# Altium PCB My_SOMA_25042022.PcbDoc (part 2 of 4) (continued)
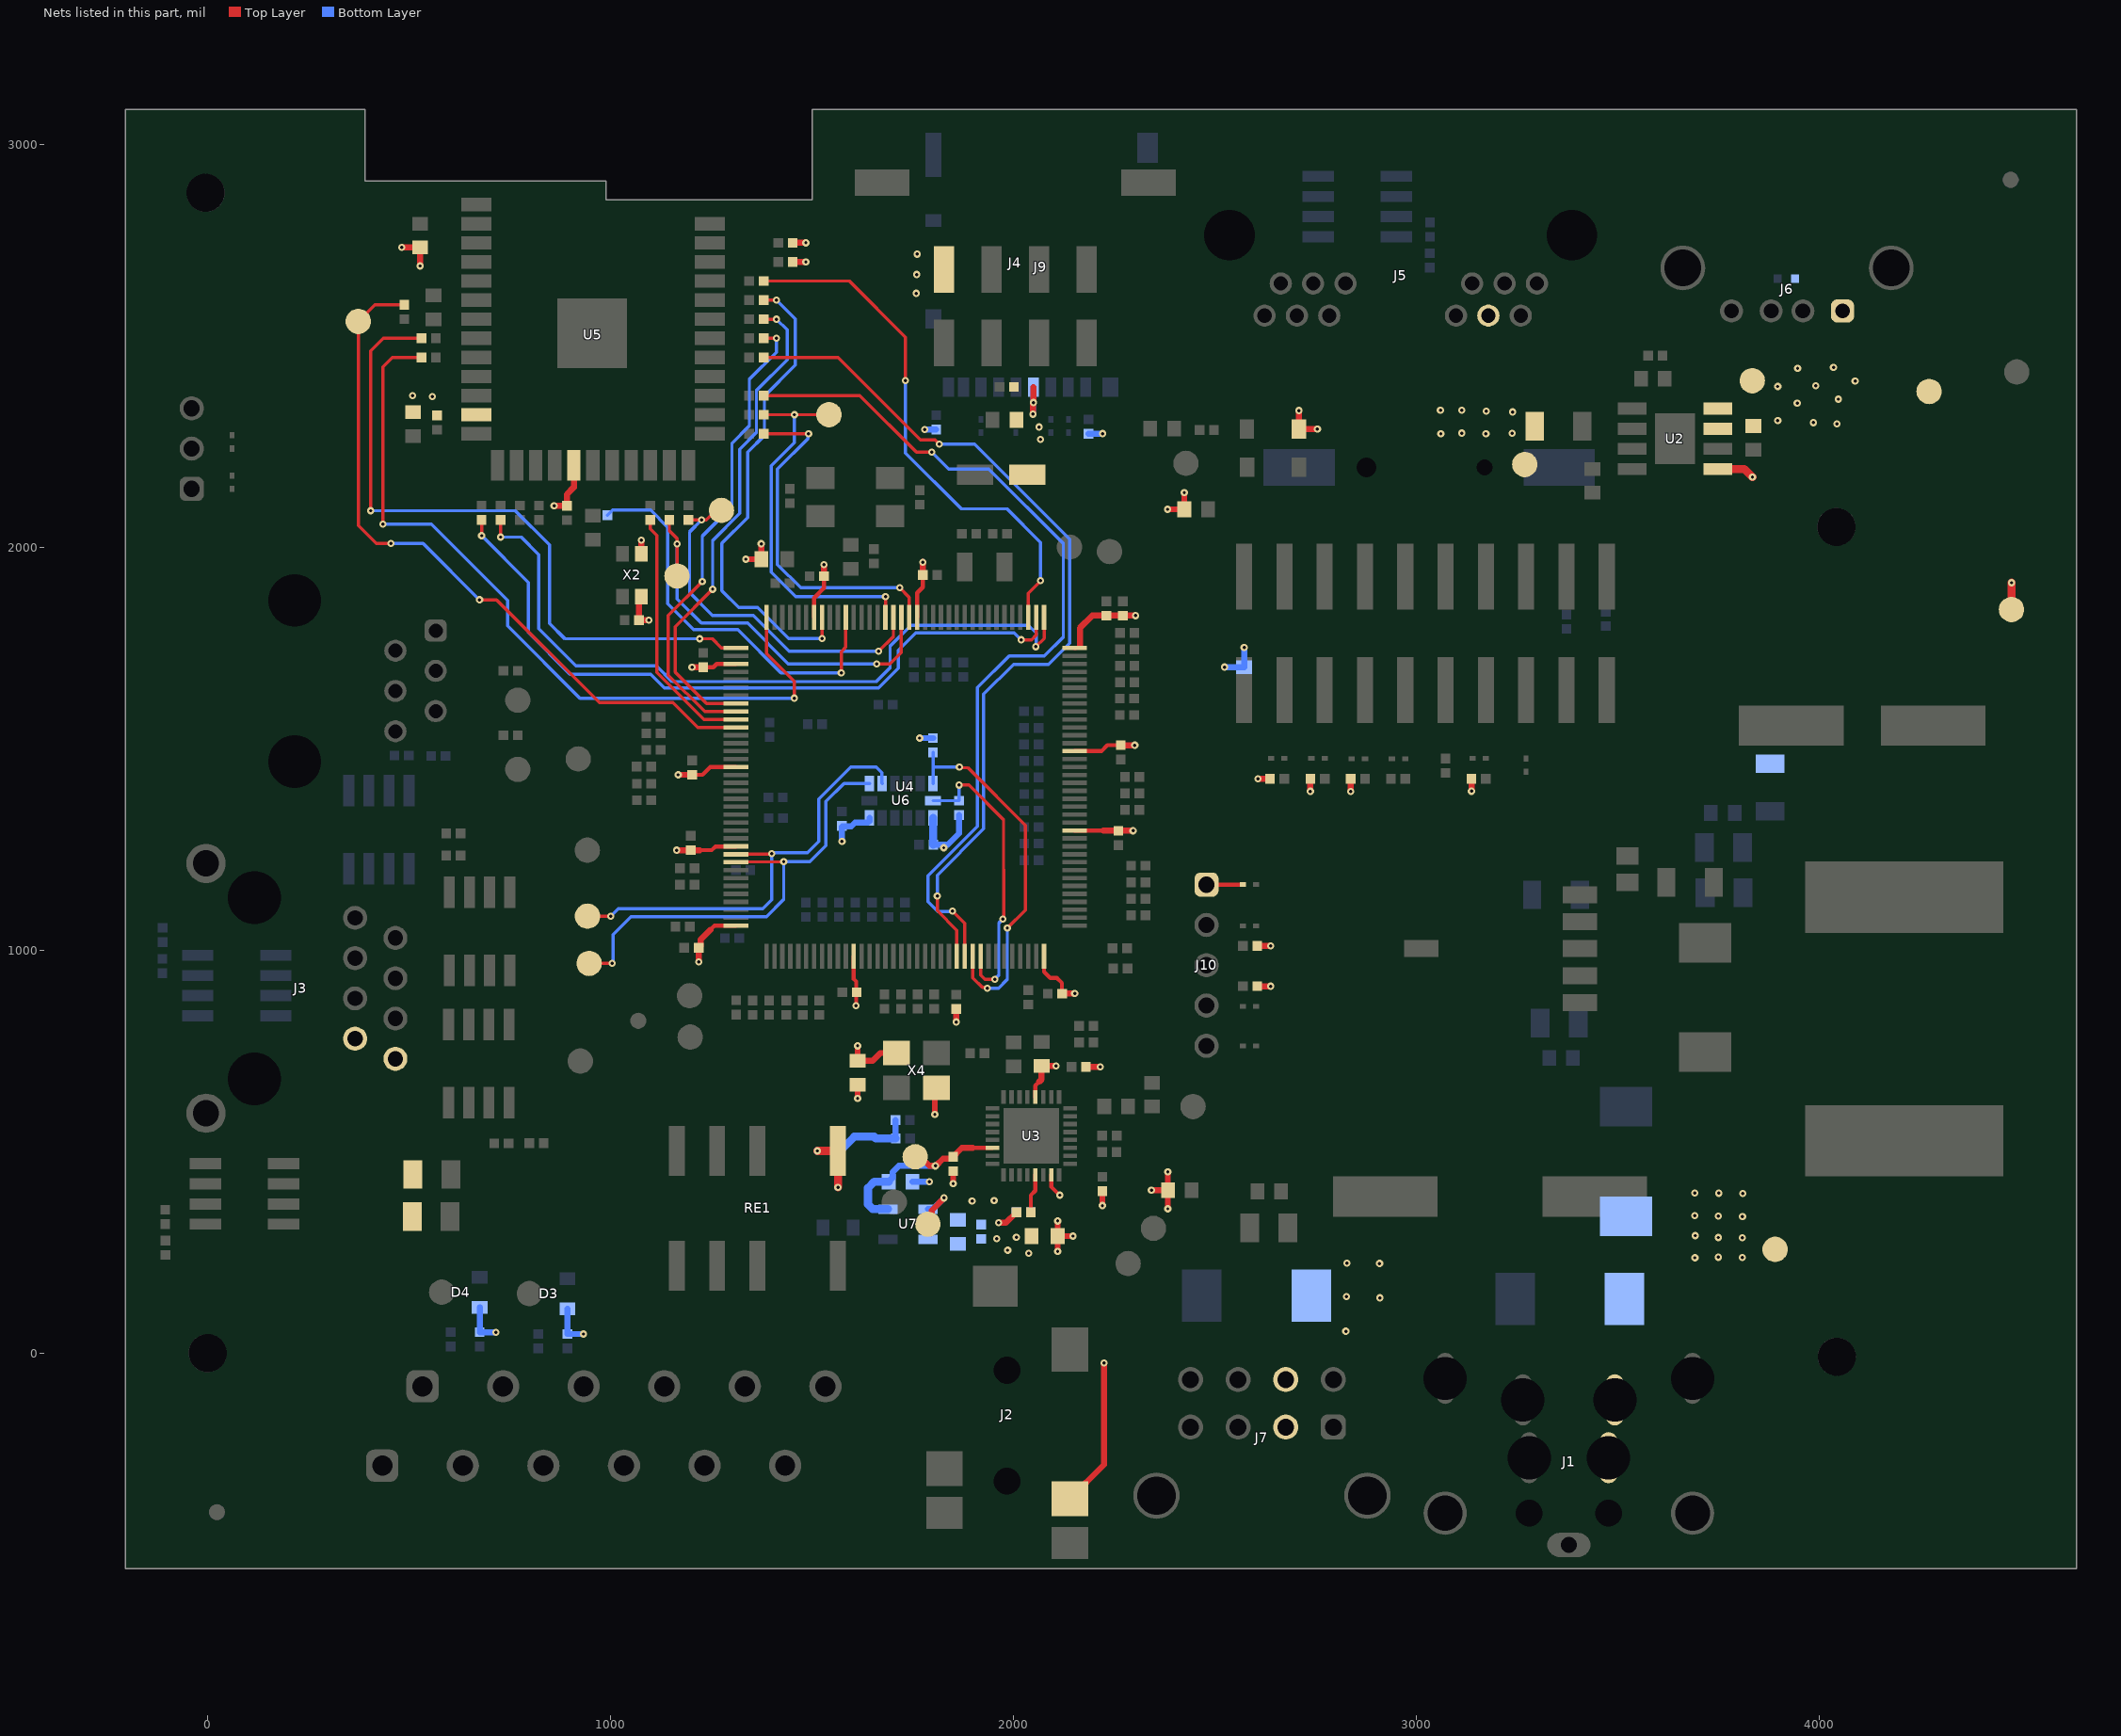
[diagram p4: the nets of this part, all layers, seen from the top]
## Part data (continued)
L1: Distributor part Number=240-3213-1-ND, Manufacturer="Laird-Signal Integrity Products", Manufacturer Part Number=MGV1707101M-10, Operating Temperature="-55°C ~ 125°C", Package=Nonstandard, Tolerance=±20%, Distributor=Digikey, Part Status=Active, Reference link=https://www.digikey.com/en/products/detail/laird-signal-integrity-products/MGV1707101M-10/9558761, Size / Dimension="0.693\" L x 0.665\" W (17.60mm x 16.90mm)", Type=IND, Unit Price=$5.72000
Q1 Q2 Q3 Q4 Q5 Q6: "N-Channel 40 V 18A (Ta) 2.5W (Ta) Surface Mount 8-SOIC", Distributor part Number=FDS8638CT-ND, Manufacturer="ON Semiconductor", Manufacturer Part Number=FDS8638, Package="8-SOIC (0.154\", 3.90mm Width)", Rating="40 V 18A 2.5W", Tolerance=NA, Distributor=Digikey, Reference link=https://www.digikey.com/en/products/detail/on-semiconductor/FDS8638/2051638?s=N4IgTCBcDaIGIBEDKAOAbAZhSAugXyA, Type="Transistors - FETs, MOSFETs - Single, N-Channel", Unit Price=$2.12000
Q7: "N-Channel 50V 220mA (Ta) 360mW (Ta) Surface Mount SOT-23-3", Distributor part Number=BSS138CT-ND, Manufacturer="ON Semiconductor", Manufacturer Part Number=BSS138, Package="TO-236-3, SC-59, SOT-23-3", Rating="50V 220mA", Tolerance=NA, Distributor=Digikey, Reference link=https://www.digikey.in/product-detail/en/on-semiconductor/BSS138/BSS138CT-ND/244294, Type="N-Channel MOSFET", Unit Price=20.89000
R1: Distributor part Number=P3.09KBCCT-ND, Manufacturer=Panasonic, Manufacturer Part Number=ERA-8AEB3091V, Operating Temperature="-55°C ~ 155°C", Package="1206 (3216 Metric)", Tolerance=±0.1%, Distributor=Digikey, Part Status=Active, Reference link=https://www.digikey.com/en/products/detail/panasonic-electronic-components/ERA-8AEB3091V/3070954, Size / Dimension="0.122\" L x 0.063\" W (3.10mm x 1.60mm)", Type=RES, Unit Price=$0.57000
R2: Distributor part Number=541-1.02KFCT-ND, Manufacturer="Vishay Dale", Manufacturer Part Number=CRCW12061K02FKEA, Operating Temperature="-55°C ~ 155°C", Package="1206 (3216 Metric)", Rating=AEC-Q200, Tolerance=±1%, Distributor=Digikey, Part Status=Active, Reference link=https://www.digikey.com/en/products/detail/vishay-dale/CRCW12061K02FKEA/1176645, Type=RES, Unit Price=$0.10000
R3: Distributor part Number=P1.0KDACT-ND, Manufacturer=Panasonic, Manufacturer Part Number=ERA-6AEB102V, Operating Temperature="-55°C ~ 155°C", Package="0805 (2012 Metric)", Rating=1/8W, Tolerance=±0.1%, Distributor=Digikey, Part Status=Active, Reference link=https://www.digikey.com/en/products/detail/panasonic-electronic-components/ERA-6AEB102V/1465748, Size / Dimension="0.039\" L x 0.020\" W (1.00mm x 0.50mm)", Type=RES, Unit Price=$0.310000
R4 R5 R6 R7 R8 R10 R11 R108: "10 Ohms ±5% 0.063W, 1/16W Chip Resistor 0402 (1005 Metric) Automotive AEC-Q200 Thick Film", Distributor part Number=541-10JCT-ND, Manufacturer="Vishay Dale", Manufacturer Part Number=CRCW040210R0JNED, Operating Temperature="-55°C ~ 155°C", Package="0402 (1005 Metric)", Rating="AEC-Q200  0.063W, 1/16W", Tolerance=±5%, Distributor=Digikey, Reference link=https://www.digikey.com/en/products/detail/vishay-dale/CRCW040210R0JNED/1177520, Type=RES, Unit Price=$0.10000
R9 R25: Distributor part Number=13-RC1206JR-100RLTR-ND, Manufacturer=Yageo, Manufacturer Part Number=RC1206JR-100RL, Operating Temperature="-55°C ~ 155°C", Package="1206 (3216 Metric)", Tolerance=Jumper, Distributor=Digikey, Part Status=Active, Reference link=https://www.digikey.sg/product-detail/en/yageo/RC1206JR-100RL/13-RC1206JR-100RLTR-ND/13694179, Size / Dimension="0.122\" L x 0.063\" W (3.10mm x 1.60mm)", Type=RES, Unit Price=0.01063
R12 R13: Distributor part Number=311-1KLBCT-ND, Manufacturer=Yageo, Manufacturer Part Number=AC0402FR-071KL, Operating Temperature="-55°C ~ 155°C", Package="0402 (1005 Metric)", Rating="0.063W, 1/16W", Tolerance=±1%, Distributor=Digikey, Part Status=Active, Reference link=https://www.digikey.com/en/products/detail/yageo/AC0402FR-071KL/2827801, Size / Dimension="0.039\" L x 0.020\" W (1.00mm x 0.50mm)", Type=RES, Unit Price=$0.10000
R14 R15: library part "RES SMD 10 OHM 5% 1/16W 0402", "2.2 kOhms ±1% 0.063W, 1/16W Chip Resistor 0402 (1005 Metric) Moisture Resistant Thick Film", Distributor part Number=311-2.20KLRTR-ND, Manufacturer=YAGEO, Manufacturer Part Number=RC0402FR-072K2L, Operating Temperature="-55°C ~ 155°C", Package="0402 (1005 Metric)", Rating="0.063W, 1/16W", Tolerance=±1%, Distributor=Digikey, Reference link=https://www.digikey.com/en/products/detail/yageo/RC0402FR-072K2L/726553, Type=RES, Unit Price=$0.10000
R16 R17 R28 R29 R30 R31 R32 R33 R34 R35 R36 R37 R38 R40 R41 R43 R44 R58 R60 R61 R62 R63 R64 R65 R69 R70 R72 R74 R76 R78 R84 R94 R114: "0 Ohms Jumper 0.063W, 1/16W Chip Resistor 0402 (1005 Metric) Moisture Resistant Thick Film", Distributor part Number=YAG1279TR-ND, Manufacturer=Yageo, Manufacturer Part Number=RC0402JR-070RP, Operating Temperature="-55°C ~ 155°C", Package="0402 (1005 Metric)", Rating="0.063W, 1/16W", Tolerance=Jumper, Distributor=Digikey, Part Status=Active, Reference link=https://www.digikey.sg/product-detail/en/yageo/RC0402JR-070RP/YAG1279TR-ND/4935294, Size / Dimension="0.039\" L x 0.020\" W (1.00mm x 0.50mm)", Type=RES, Unit Price=0.00377
  R69 R70: Assembly Option=D.N.P
R18 R19 R20 R21 R22 R23 R24 R46 R48 R54 R55 R56 R57 R66 R67 R68 R73 R75 R77 R79 R80 R81 R82 R83 R85 R86 R87 R88 R89 R90 R91 R92 R93 R95 R96 R97 R98 R99 R101 R102 R104 R105 R106 R107 R109 R111 R113 R115 R117 R118 R119 R121 R123 R124: library part "RES SMD 100K OHM 1% 1/10W 0402", "100 kOhms ±1% 0.1W, 1/10W Chip Resistor 0402 (1005 Metric) Automotive AEC-Q200 Thick Film", Distributor part Number=P100KLCT-ND, Manufacturer="Panasonic Electronic Components", Manufacturer Part Number=ERJ-2RKF1003X, Operating Temperature="-55°C ~ 155°C", Package=0402, Rating=1/10W, Tolerance=±1%, Distributor=Digikey, Reference link=https://www.digikey.in/product-detail/en/panasonic-electronic-components/ERJ-2RKF1003X/P100KLCT-ND/194127, Type=RES, Unit Price=7.46000
R26: Distributor part Number=P47JTR-ND, Manufacturer=Panasonic, Manufacturer Part Number=ERJ-2GEJ470X, Operating Temperature="-55°C ~ 155°C", Package=0402, Rating=1/10W, Tolerance=±5%, Distributor=Digikey, Reference link=https://www.digikey.com/product-detail/en/panasonic-electronic-components/ERJ-2GEJ470X/P47JTR-ND/147020, Type=RES, Unit Price=$0.00395
R27 R59 R110 R112 R129 R130: library part "RES SMD 0 OHM JUMPER 1/10W 0603", "RES SMD 0 OHM JUMPER 1/10W 0603", Distributor part Number=311-0.0GRCT-ND, Manufacturer=Yageo, Manufacturer Part Number=RC0603JR-070RL, Operating Temperature="-55°C ~ 155°C", Package=0603, Rating=1/10W, Distributor=Digikey, Reference link=https://www.digikey.com/product-detail/en/yageo/RC0603JR-070RL/311-0.0GRCT-ND/729622, Type=RES
  R27 R59: Assembly Option=D.N.P, Unit Price=$0.10000
  R110: Assembly Option=DNP, Cost=0.00412
  R112 R129 R130: Cost=0.00412
R39 R42 R45: library part "RES 1M OHM 1% 1/10W 0603", "RES 1M OHM 1% 1/10W 0603", Distributor part Number=13-RC0603FR-131MLCT-ND, Manufacturer=Yageo, Manufacturer Part Number=RC0603FR-131ML, Operating Temperature="-55°C ~ 155°C", Package="0603 (1608 Metric)", Rating=1/10W, Distributor=Digikey, Reference link=https://www.digikey.com/en/products/detail/yageo/RC0603FR-131ML/13694152, Type=RES, Unit Price=$0.10000
R47: library part "RES SMD 47K OHM 5% 1/10W 0402", "RES SMD 47K OHM 5% 1/10W 0402", Distributor part Number=P47KJCT-ND, Manufacturer="Panasonic Electronic Components", Manufacturer Part Number=ERJ-2GEJ473X, Operating Temperature="-55°C ~ 155°C", Package=0402, Rating=1/10W, Tolerance=±5%, Assembly Option=DNP, Distributor=Digikey, Reference link=https://www.digikey.in/product-detail/en/panasonic-electronic-components/ERJ-2GEJ473X/P47KJCT-ND/147021, Type=RES, Unit Price=7.46000
R49: library part "RES SMD 100 OHM 1% 1/10W 0402", "100 Ohms ±1% 0.1W, 1/10W Chip Resistor 0402 (1005 Metric) Automotive AEC-Q200 Thick Film", Distributor part Number=P100LCT-ND, Manufacturer="Panasonic Electronic Components", Manufacturer Part Number=ERJ-2RKF1000X, Operating Temperature="-55°C ~ 155°C", Package=0402, Rating=1/10W, Tolerance=±1%, Distributor=Digikey, Reference link=https://www.digikey.in/product-detail/en/panasonic-electronic-components/ERJ-2RKF1000X/P100LCT-ND/194126, Type=RES, Unit Price=7.46000
R50 R51 R52 R53 R71 R100 R116 R126 R127 R128 R131 R132 R133 R134: library part "RES SMD 10K OHM 1% 1/10W 0402", "10 kOhms ±1% 0.1W, 1/10W Chip Resistor 0402 (1005 Metric) Automotive AEC-Q200 Thick Film", Distributor part Number=P10.0KLCT-ND, Manufacturer="Panasonic Electronic Components", Manufacturer Part Number=ERJ-2RKF1002X, Operating Temperature="-55°C ~ 155°C", Package=0402, Rating=1/10W, Tolerance=±1%, Cost=0.00715, Distributor=Digikey, Reference link=https://www.digikey.in/product-detail/en/panasonic-electronic-components/ERJ-2RKF1002X/P10.0KLCT-ND/194119, Type=RES
R103: Distributor part Number=P19924TR-ND, Manufacturer=Panasonic, Manufacturer Part Number=ERJ-PB3B3900V, Operating Temperature="-55°C ~ 155°C", Package=0603, Rating=0.2W, Tolerance=±0.1%, Assembly Option=DNP, Distributor=Digikey, Reference link=https://www.digikey.in/product-detail/en/panasonic-electronic-components/ERJ-PB3B3900V/P19924TR-ND/6212707, Type=RES, Unit Price=0.02610
RE1: "General Purpose Relay DPDT (2 Form C) Surface Mount", Coil Resistance="180 Ohms", Distributor part Number=255-2341-5-ND, Manufacturer="Panasonic Electric Works", Manufacturer Part Number=TXS2SA-3V, Operating Temperature="-40°C ~ 70°C", Rating="3VDC 1A", Distributor=Digikey, Packaging=Tube, Reference link=https://www.digikey.com/en/products/detail/panasonic-electric-works/TXS2SA-3V/650160, Type="Signal Relays, Up to 2 Amps", Unit Price=$4.65000
TB1: "6 Position Wire to Board Terminal Block Horizontal with Board 0.200\" (5.08mm) Through Hole", Distributor part Number=A120496-ND, Manufacturer="TE Connectivity AMP Connectors", Manufacturer Part Number=1986775-6, Operating Temperature="-40°C ~ 110°C", Package=Tray, Rating="300V  15A", Category="Terminal Blocks - Wire to Board", Distributor=Digikey, Mounting Type="Through Hole", Part Status=Active, Unit Price=349.87000, Wire Gauge="12 AWG"
U1: "Buck Switching Regulator IC Positive Adjustable 1.23V 1 Output 3A TO-263-6, D²Pak (5 Leads + Tab), TO-263BA", Distributor part Number=LM2576S-ADJ/NOPB-ND, Manufacturer="Texas Instruments", Manufacturer Part Number=LM2576S-ADJ/NOPB, Operating Temperature="-40°C ~ 125°C (TJ)", Package="TO-263-6, D²Pak (5 Leads + Tab), TO-263BA", Rating="1.23V 1 Output 3A", Tolerance=NA, Distributor=Digikey, Reference link=https://www.digikey.com/en/products/detail/texas-instruments/LM2576S-ADJ-NOPB/363655, Type=IC, Unit Price=$4.79000
U2: "Linear Voltage Regulator IC Positive Fixed 1 Output 1A 8-SOIC-EP", Distributor part Number=ADP1706ARDZ-3.3-R7CT-ND, Manufacturer="Analog Devices Inc.", Manufacturer Part Number=ADP1706ARDZ-3.3-R7, Operating Temperature="-40°C ~ 125°C", Package="8-SOIC (0.154\", 3.90mm Width) Exposed Pad", Rating="3.3V 1A", Tolerance=NA, Distributor=Digikey, Reference link=https://www.digikey.com/en/products/detail/analog-devices-inc/ADP1706ARDZ-3-3-R7/1766873?s=N4IgTCBcDaIIIBEAKBGA7ABgGxwEoIC0BaAZgDoSjc0QBdAXyA, Type=IC, Unit Price=$3.15000
U3: "Stereo Audio Interface - I²C, Serial, SPI™ 32-QFN-EP (5x5)", Distributor part Number=SGTL5000XNAA3R2CT-ND, Manufacturer="NXP USA Inc.", Manufacturer Part Number=SGTL5000XNAA3R2, Operating Temperature="-40°C ~ 85°C", Package="32-VFQFN Exposed Pad", Rating="1.1V ~ 2V, 1.62V ~ 3.6V", Tolerance=NA, Distributor=Digikey, Reference link=https://www.digikey.com/en/products/detail/nxp-usa-inc/SGTL5000XNAA3R2/2186898, Type=IC, Unit Price=$4.19000
U4: "ARM® Cortex®-M4 series Microcontroller IC 32-Bit Single-Core 180MHz 1MB (1M x 8) FLASH 144-LQFP (20x20)", Distributor part Number=497-17461-ND, Manufacturer=STMicroelectronics, Operating Temperature="*-40°C ~ 85°C (TA)", Package / Case=144-LQFP, Rating="1.8V ~ 3.6V", Categories="Embedded - Microcontrollers", Distributor=Digikey, Manufacturer Part Number=STM32F429ZGT6, Mounting Type="Surface Mount", Part Status=Active, Reference link=https://www.digikey.com/en/products/detail/stmicroelectronics/STM32F429ZGT6/4357426, Unit Price=21.55
U5: Distributor part Number=ATWINC3400-MR210CA122-ND, Manufacturer="Microchip Technology", Manufacturer Part Number=ATWINC3400-MR210CA122, Operating Temperature="-40°C ~ 85°C", Package=Module, Rating="2.5V ~ 4.2V", Tolerance=NA, Distributor=Digikey, Reference link=https://www.digikey.com/en/products/detail/microchip-technology/ATWINC3400-MR210CA122/7898445, Type=IC, Unit Price=$11.93000
U6: "Accelerometer X, Y, Z Axis ±2g, 4g, 8g, 16g 0.05Hz ~ 1.6kHz 14-LGA (3x5)", Distributor part Number=ADXL343BCCZ-RL7CT-ND, Manufacturer="Analog Devices Inc.", Manufacturer Part Number=ADXL343BCCZ-RL7, Operating Temperature="-40°C ~ 85°C (TA)", Package=14-VFLGA, Rating="2V ~ 3.6V", Tolerance=NA, Distributor=Digikey, Reference link=https://www.digikey.com/en/products/detail/analog-devices-inc/ADXL343BCCZ-RL7/3542894, Type="Surface Mount", Unit Price=$3.10000
U7: library part "IC REG LINEAR 1.5V 50MA SOT23-5", "IC REG LINEAR 1.5V 50MA SOT23-5", Distributor part Number=296-12521-1-ND, Manufacturer="Texas Instruments", Operating Temperature="-40°C ~ 125°C", Package=SOT23-5, Rating=0.1V@50mA, Tolerance=NA, Distributor=Digikey, Manufacturer Part Number=TPS72215DBVT, Reference link=https://www.digikey.com/en/products/detail/texas-instruments/TPS72215DBVT/432081, Type=IC, Unit Price=$1.53000
X1: library part "CRYSTAL 32.7680KHZ 12.5PF SMD", "CRYSTAL 32.7680KHZ 12.5PF SMD", Distributor part Number=644-1156-1-ND, Manufacturer="NDK America, Inc.", Manufacturer Part Number=NX3215SA-32.768K-STD-MUA-8, Operating Temperature="-40°C ~ 85°C", Package="2-SMD, No Lead", Rating="70 kOhms", Tolerance=±20ppm, Distributor=Digikey, Reference link=https://www.digikey.com/en/products/detail/ndk-america-inc/NX3215SA-32-768K-STD-MUA-8/2261469, Type="kHz Crystal (Tuning Fork)", Unit Price=$0.79000
X2: "32.768 kHz XO (Standard) CMOS Oscillator 1.2V ~ 5.5V Enable/Disable 4-SMD, No Lead", Distributor part Number=2195-OM-7604-C7-32.768KHZ-20PPM-TA-QCCT-ND, Manufacturer="Micro Crystal AG", Manufacturer Part Number=OM-7604-C7-32.768KHZ-20PPM-TA-QC, Operating Temperature="-40°C ~ 85°C", Package="4 SMD, No Lead", Rating=32.768kHz, Distributor=Digikey, Reference link=https://www.digikey.com/en/products/detail/micro-crystal-ag/OM-7604-C7-32-768KHZ-20PPM-TA-QC/10431069, Type=Crystal, Unit Price=$1.64000
X3: library part "CRYSTAL 8.0000MHZ 18PF SMD", "CRYSTAL 8.0000MHZ 18PF SMD", Distributor part Number=535-13477-2-ND, Manufacturer="Abracon LLC", Manufacturer Part Number=ABMM2-8.000MHZ-D1-T, Operating Temperature="-40°C ~ 85°C", Package=HC-49/US, Rating="72 Ohms", Tolerance=±20ppm, Assembly Option=DNP, Distributor=Digikey, Reference link=https://www.digikey.com/product-detail/en/abracon-llc/ABMM2-8.000MHZ-D1-T/535-13477-2-ND/5980073, Type=Crystal
X4: Distributor part Number=535-10810-1-ND, Manufacturer="Abracon LLC", Manufacturer Part Number=ASFL1-12.288MHZ-L-T, Operating Temperature="-40°C ~ 85°C", Package="4 SMD, No Lead", Rating=3.3V,100ppm, Distributor=Digikey, Reference link=https://www.digikey.com/en/products/detail/abracon-llc/ASFL1-12-288MHZ-L-T/2623937, Type=Crystal, Unit Price=$1.14000
XBT1: Distributor part Number=952-1745-1-ND, Manufacturer="Harwin Inc.", Manufacturer Part Number=S8411-45R, Operating Temperature="-55°C ~ 105°C", Package="Cut Tape (CT", Distributor=Digikey, Part Status=Active, Reference link=https://www.digikey.com/en/products/detail/harwin-inc/S8411-45R/3131055, Type="Coin Cell, Holder", Unit Price=$1.39000

## Via types
v1: diameter 18, hole 8, Top Layer to Bottom Layer, tented both sides, 468 vias

## Nets (pads, with @x,y where several pads share a name; then routed paths per layer and width w, separated by ;. In a path a pad name is that pad's centre, name@x,y a point inside that pad or via, vN(x,y) a via of type N, cw(c..) or ccw(c..) an arc to the next point about the centre after c; other vN are vias at no path point)
+1.5VA: C20.2 C39.2 TP34.1 U3.30 U7.5 | length 513.2
  Top Layer w10: 1898.68,509.49 U3.30@1948.23,509.49
  Top Layer w15: TP34.1@1756.43,487.48 1769.42,487.48 1791.53,465.36 1805.85,465.36 v1(1806.42,464.79) 1807.23,464.79 1825.42,482.98 1845.95,482.98 1872.46,509.49 1898.68,509.49
  Bottom Layer w15: C20.2@1690.51,425.74 1700.01,435.24 1700.01,448.92 1715.87,464.79 v1(1806.42,464.79)
  Bottom Layer w20: U7.5@1689.13,357.59 U7.5@1689.13,357.59 1650.82,357.65 1639.1,369.36 1639.1,409.92 1654.92,425.74 C20.2@1690.51,425.74
+3.3V: C24.1 C25.2 C26.2 C32.2 C33.2 C34.2 C35.2 C37.2 C40.1 C41.2 C42.2 C43.2 C44.2 C45.2 C46.2 C47.2 C48.2 C53.2 C54.1 C58.2 C59.1 D3.2 D4.2 D13.2 D16.1 FB1.2 FB2.2 J9.4 J10.1 R9.2 R10.2 R11.2 R14.2 R15.2 R42.1 R47.2 R48.2 R50.2 R51.2 R52.2 R53.2 R54.2 R71.2 R84.1 R100.2 R116.2 R126.2 R127.2 R128.2 R129.2 R130.2 RE1.1 TP3.1 U3.20 U4.17 U4.30 U4.39 U4.52 U4.62 U4.72 U4.84 U4.108 U4.121 U4.131 U4.144 U5.12 U5.18 U6.1 U6.6 X2.3 X2.4 | length 4092.8
  Top Layer w10: C43.2@1202.83,1435.53 1228.3,1435.53 1247.65,1454.89 U4.52@1311.24,1454.89 ; 1221.45,1248.52 1251.45,1248.52 1260.46,1257.54 1310.74,1257.54 U4.62@1311.24,1258.04 ; C44.2@1230.33,1702.47 C44.2@1230.39,1702.47 ; C44.2@1230.39,1702.53 1255.29,1702.53 1263.55,1710.79 U4.39@1311.24,1710.79 ; 1248.03,1050.98 1258.23,1061.19 U4.72@1311.24,1061.19 ; U4.30@1505.34,1826.15 1505.34,1874.36 1530.08,1899.11 C45.2@1530.08,1928.5 ; U4.84@1603.76,985.2 1603.76,928.73 1609.89,922.61 1609.89,896.57 C41.2@1610.85,895.61 ; v1(1609.43,862.44) 1610.14,863.15 1610.14,894.84 C41.2@1610.88,895.58 ; U4.17@1761.24,1826.15 1761.24,1887.25 1775.14,1901.15 C47.2@1775.14,1931.63 ; U3.20@2054.53,635.47 2054.53,664.06 2064.27,673.8 ; U4.108@2076.21,985.2 2076.21,946.79 2091.6,931.4 2107.92,931.4 2120.48,918.83 2120.48,892.58 C37.2@2121.01,892.06 ; U4.121@2152.19,1297.41 2222.72,1297.41 2223.39,1296.74 ; U4.131@2152.19,1494.26 2218.44,1494.26 2233.13,1508.95 C25.2@2266.69,1508.95 ; U4.144@2152.19,1750.16 2155.16,1750.16 U4.144@2155.16,1750.48 ; J10.1@2479.49,1162.86 D16.1@2569.62,1162.86
  Top Layer w15: v1(481.69,2744.42) R42.1@527.51,2744.42 v1(527.51,2698.59) ; v1(859.91,2103.46) C58.2@891.65,2103.46 891.65,2131.83 909.07,2149.25 U5.18@909.07,2203.81 ; C32.2@1070.76,1819.33 1070.76,1872.2 X2.3@1076.53,1877.97 ; C32.2@1070.76,1819.33 v1@1094.97,1819.36 ; X2.4@1076.53,1984.27 v1(1076.53,2017.91) ; v1(1164.51,1248.46) C42.2@1199.28,1248.46 ; v1(1168.07,1435.53) C43.2@1202.83,1435.53 ; C42.2@1199.16,1248.52 1221.45,1248.52 ; v1(1202.36,1702.53) C44.2@1230.39,1702.53 ; C46.2@1218.8,1005.9 C46.2@1218.86,1005.96 ; v1(1218.86,971.25) C46.2@1218.86,1005.96 ; 1248.03,1050.98 1223.3,1026.25 1223.3,1010.4 C46.2@1218.86,1005.96 ; v1@1335.84,1970.72 FB1.2@1374.16,1970.72 v1@1374.16,2009.03 ; R71.2@1452.23,2708.58 v1(1484.82,2708.58) ; R100.2@1452.23,2755.98 v1(1484.82,2755.98) ; C45.2@1530.08,1928.5 v1(1530.08,1957.3) ; C47.2@1775.14,1931.63 v1(1775.14,1963.38) v1@1775.14,1964.71 ; v1(1858,822) R84.1@1858,854.17 ; v1(2048.96,2330.76) 2048.96,2358.98 v1(2049.53,2359.55) 2049.53,2397.68 2049.74,2397.89 ; 2064.27,673.8 2070.14,679.67 C54.1@2070.14,713.05 v1(2105.95,713.05) ; v1(2110.02,252.9) FB2.2@2110.02,290.52 ; v1(2110.02,328.14) FB2.2@2110.02,290.52 ; C37.2@2120.48,892.58 v1(2152.23,892.58) v1@2153.56,892.58 ; v1(2147.64,290.52) FB2.2@2110.02,290.52 ; U4.144@2165,1753.87 2165,1800 2195.69,1830.69 C48.2@2230.69,1830.69 C53.2@2271.69,1830.69 v1(2303.43,1830.69) ; 2223.39,1296.74 C26.2@2260.57,1296.74 ; C26.2@2260.57,1296.61 2260.66,1296.71 v1(2297.05,1296.71) ; C25.2@2266.69,1508.95 v1(2301.46,1508.95) ; v1(2382.97,2094.55) R130.2@2424.25,2094.55 v1(2424.25,2135.77) ; R51.2@2605.28,910.77 v1(2638.91,910.77) ; R50.2@2605.28,1010.77 v1(2638.91,1010.77) ; v1(2606.83,1425.95) R116.2@2637.2,1425.95 ; v1(2708.5,2339.81) D13.2@2708.5,2293.64 v1(2754.77,2293.64) ; v1(2737.2,1394.57) R126.2@2737.2,1425.95 ; v1(2837.19,1394.39) R127.2@2837.19,1425.81 ; v1(3137.2,1394.79) R128.2@3137.2,1425.95
  Top Layer w20: v1(1513.25,502.05) RE1.1@1564.73,502.05 1564.5,501.82 v1@1564.5,411.81 ; v1(1564.5,411.41) v1@1564.5,411.81 ; v1@1564.73,412.04 v1@1564.5,411.81
  Bottom Layer w15: D4.2@675.44,114.04 R11.2@675.45,51.94 v1@715.54,51.94 ; R10.2@893.12,47.45 D3.2@893.12,110.41 ; R10.2@893.13,47.58 v1@933.22,47.58 ; v1(1574.75,1270.25) 1574.37,1270.63 1574.37,1306.12 1575.58,1307.33 1597.81,1307.33 1607.11,1316.63 1638.67,1316.63 1642.98,1320.94 U6.6@1642.98,1328.58 ; R14.2@1707.26,578.84 1707.56,578.53 R15.2@1707.56,533.43 ; v1(1767.53,1526.79) R53.2@1800.46,1526.79 ; v1(1780.23,2292.41) R48.2@1808.43,2292.41 ; C40.1@1800.94,1262.52 C40.1@1801.42,1262.04 1801.66,1261.8 1836.8,1261.8 1865.46,1290.46 R52.2@1865.46,1335.69 ; v1(2048.96,2330.76) 2049.25,2331.04 2049.25,2359.26 v1(2049.53,2359.55) 2049.53,2397.68 J9.4@2049.74,2397.89 ; R47.2@2186.35,2282.23 v1@2220.18,2282.23 ; v1(2523.96,1702.97) R129.2@2572.85,1702.97 v1(2572.85,1751.86)
  Bottom Layer w20: v1(1513.25,502.05) 1569.71,502.05 1605,537.34 1654.32,537.34 1658.54,533.13 1707.26,533.13 R15.2@1707.56,533.43 ; U6.1@1800.46,1328.58 1800.94,1328.1 C40.1@1800.94,1262.52
  other v1: 932.86,47.58 715.18,51.93 1827.18,1254.54 1095,1819.39 1335.74,1970.61 1374.05,2009.14 2067.01,2268.1 3060.98,2282.36 3173.05,2281.73 2221.59,2282.53 3237.86,2282.99 3113.26,2283.61 2063.66,2298.92 3239.42,2336.2 3173.99,2338.39 3113.26,2340.27 3060.04,2340.59 557.51,2374.1 508.91,2376.63
+3.3VA: C17.2 C29.1 C30.2 C31.1 C62.2 FB2.1 TP33.1 U3.5 U7.1 U7.3 X4.4 | length 371.9
  Top Layer w10: C62.2@2043.15,349.68 2043.15,391.84 2054.53,403.22 U3.5@2054.53,442.56
  Top Layer w15: v1(1613.34,762.74) C17.2@1613.34,725.65 1650.79,725.65 1670.16,745.02 X4.4@1709.48,745.02 ; TP33.1@1787.95,320.19 1797.13,329.38 1797.13,354.57 v1(1827.87,385.31)
  Bottom Layer w15: U7.1@1787.95,357.59 1800.15,357.59 v1(1827.87,385.31)
  other v1: 2037.85,247.56 1986.04,255.52 1958.35,283.89 2007.27,287.8
+5V: C28.2 D20.1 J6.1 R25.2 TP1.1 TP2.1 TP9.1 U2.1 U2.3 U2.4 | length 160.7
  Top Layer w20: U2.1@3748.62,2194.62 3814.48,2194.62 v1(3834.51,2174.6) ; TP1.1@4477.59,1845.7 v1(4477.59,1912.22)
  other v1: 4044.55,2306.85 3986.09,2309.76 3897.42,2314.68 3945.77,2357.92 4047.99,2367.95 3897.42,2399.57 3991.97,2401.18 4089.41,2412.96 3946.77,2444.36 4035.61,2447.14
+24V: C11.2 C36.2 D1.2 D8.1 D15.1 J1.2 J1.4 J3.1 J3.2 J4.1 J5.9 J7.2 J7.6 TP5.1
  other v1: 2825.15,54.41 2909.5,137.27 2827.14,140.24 2828.13,223.1 2909,222.6 3691.85,236.8 3809.51,237.26 3749.72,238.17 3809.3,286.19 3749.51,287.1 3692.36,291.76 3809.79,339.21 3749.99,340.12 3691.18,341.14 3810.57,396.17 3691.46,397.48 3750.78,397.09 1758.93,2630.64 1760.03,2677.37 1761.35,2728.05
ACC_INT1: TP32.1 U4.64 U6.8 | length 1159.7
  Top Layer w8: TP32.1@947.07,967.56 v1(1004.44,967.56) ; U4.64@1311.24,1218.67 1311.91,1219.33 1429.33,1219.33 v1(1430,1220)
  Bottom Layer w8: v1(1004.44,967.56) 1006.35,969.48 1006.35,1038.87 1051.2,1083.71 1387.05,1083.71 1430,1126.67 v1(1430,1220) 1495,1220 1535,1260 1535,1369.63 1579.48,1414.11 U6.8@1642.98,1414.11
ACC_INT2: TP31.1 U4.63 U6.9 | length 1136
  Top Layer w8: TP31.1@942.89,1084.57 v1(1000.26,1084.57) ; U4.63@1311.24,1238.35 1312.07,1239.18 1399.18,1239.18 v1(1400,1240)
  Bottom Layer w8: v1(1000.26,1084.57) 1019.18,1103.49 1378.33,1103.49 1400,1125.16 v1(1400,1240) 1401.91,1241.91 1489.12,1241.91 1517.35,1270.14 1517.35,1375.78 1596.57,1455 1660,1455 1673.89,1441.11 1673.89,1414.7 U6.9@1674.47,1414.11
ACC_SCL: R52.1 U4.100 U6.14 | length 742.3
  Top Layer w8: v1(1865,1410) 1890,1410 1975.69,1324.31 1975.69,1200.68 1976.37,1200 1976.37,1087.53 1975.73,1086.9 1975.73,1079.27 v1(1973.82,1077.36) ; U4.100@1918.72,985.2 1918.72,938.28 1929,928 v1(1954,928)
  Bottom Layer w8: U6.14@1800.46,1371.35 R52.1@1865.46,1371.35 1865,1371.81 v1(1865,1410) ; v1(1954,928) 1964,938 1964,1067.54 v1(1973.82,1077.36)
ACC_SDA: R53.1 U4.99 U6.13 | length 926.7
  Top Layer w8: v1(1866,1455) 1867.91,1453.09 1886.91,1453.09 2030,1310 2030,1100 v1(1985,1055) ; U4.99@1899.04,985.2 1899.52,984.72 1899.52,931.48 1923.09,907.91 1933.09,907.91 v1(1935,906)
  Bottom Layer w8: U6.13@1800.46,1414.11 1800.46,1439.95 1800.46,1454.01 ; R53.1@1800.46,1491.13 1800.46,1454.01 ; v1(1866,1455) 1801.46,1455 1800.46,1454.01 ; v1(1935,906) 1963,906 1985,928 v1(1985,1055)
AGND: C17.1 C20.1 C29.2 C30.1 C31.2 C39.1 C56.1 C57.1 C62.1 J2.4 R112.2 U3.7 U7.2 X4.2 | length 865.1
  Top Layer w10: U3.7@2093.9,442.56 2093.9,413.24 2114.87,392.27 v1(2115.02,392.27)
  Top Layer w15: v1(1613.34,632.58) C17.1@1613.34,666.69 ; v1(1804.97,592.58) 1804.97,653.9 X4.2@1809.48,658.4 ; C39.1@1850.45,451.82 1850.54,451.74 v1(1850.54,420.76) ; v1(1963.26,323.74) 1981.55,323.74 C62.1@2007.49,349.68 ; J2.4@2140.27,-361.24 2224.81,-276.7 v1(2224.81,-24.29) ; C57.1@2179.97,710.28 v1(2215.78,710.28) ; v1(2220.97,366.34) C56.1@2220.97,402.14 ; v1(2342.69,404.17) R112.2@2383.47,404.17 ; v1(2383.47,358.24) R112.2@2383.47,404.17 ; v1(2383.47,450.1) R112.2@2383.47,404.17
  Bottom Layer w15: C20.1@1749.47,425.74 v1(1791.35,425.74)
  other v1: 1897.58,377.92 1952.2,378.58
BT_RX: R60.1 U4.37 | length 1697.9
  Top Layer w8: v1(404.62,2090.96) 404.62,2487.65 435.95,2518.97 R60.1@530.91,2518.97 ; v1(1221.35,1773.24) 1252.48,1773.24 1275.56,1750.16 U4.37@1311.24,1750.16
  Bottom Layer w8: v1(404.62,2090.96) 763.89,2090.96 849.02,2005.84 849.02,1810.98 886.76,1773.24 v1(1221.35,1773.24)
BT_TX: R61.1 U4.36 | length 1961.3
  Top Layer w8: v1(435.12,2058.01) 435.12,2447.92 458.77,2471.57 R61.1@530.91,2471.57 ; U4.36@1387.23,1826.15 1387.23,1736.34 1456.09,1667.48 v1(1456.09,1625.89)
  Bottom Layer w8: v1(435.12,2058.01) 555.23,2058.01 744.96,1868.27 744.96,1805.03 924.11,1625.89 v1(1456.09,1625.89)
BT_WIFI_CHIP_EN: R43.1 U4.26 | length 1006.7
  Top Layer w8: v1(1572.62,1688.5) 1572.62,1740.73 1584.08,1752.19 U4.26@1584.08,1826.15
  Bottom Layer w8: R43.1@992.13,2079.76 1004.79,2092.42 1099.75,2092.42 1142.15,2050.02 1142.15,1860.11 1206.55,1795.71 1315.72,1795.71 1422.93,1688.5 v1(1572.62,1688.5)
BT_WIFI_GPIO3: R40.2 U4.2 | length 1782.8
  Top Layer w8: v1(680.09,2029.16) R40.2@680.09,2068.15 ; v1(2019.28,1770.78) 2044.69,1770.78 2056.52,1782.61 U4.2@2056.52,1826.15
  Bottom Layer w8: v1(680.09,2029.16) 796.31,1912.94 796.31,1788.69 899.53,1685.47 1099.47,1685.47 1133.51,1651.43 1665.56,1651.43 1714.35,1700.22 1714.35,1744.76 1757.42,1787.83 2002.24,1787.83 v1(2019.28,1770.78)
BT_WIFI_GPIO4: R38.2 U4.1 | length 1840.4
  Top Layer w8: v1(727.49,2025.55) R38.2@727.49,2068.15 ; v1(2055.5,1753.61) 2076.21,1774.32 U4.1@2076.21,1826.15
  Bottom Layer w8: v1(727.49,2025.55) 778.48,2025.55 821.93,1982.1 821.93,1798.07 914.4,1705.6 1114.42,1705.6 1153.1,1666.92 1659.13,1666.92 1694.07,1701.86 1694.07,1754.85 1746.12,1806.89 2037.1,1806.89 2056.52,1787.47 2056.52,1754.64 v1(2055.5,1753.61)
BT_WIFI_GPIO7: R36.2 U4.98 | length 2170.7
  Top Layer w8: R36.2@1380.02,2376.77 1618.99,2376.77 1759.52,2236.24 v1(1797.58,2236.24) ; v1(1849,1097) 1879.35,1066.65 U4.98@1879.35,985.2
  Bottom Layer w8: v1(1797.58,2236.24) 1839.13,2194.72 1939.01,2194.72 2123.93,2009.79 2123.93,1777.74 2076.51,1730.32 1989.57,1730.32 1911.14,1651.89 1911.14,1307.91 1788,1184.77 1788,1121 1812.71,1096.29 1848.29,1096.29 v1(1849,1097)
BT_WIFI_GPIO8: R37.2 U4.46 | length 629.6
  Top Layer w8: R37.2@1098.67,2068.15 1098.67,2046.33 1115,2030 1115,1690 1232,1573 U4.46@1311.24,1573
BT_WIFI_GPIO17: R35.2 U4.97 | length 2188.7
  Top Layer w8: R35.2@1380.02,2471.57 1565.09,2471.57 1769.64,2267.02 1805.31,2267.02 v1(1816.26,2256.06) ; v1(1811,1135) 1811,1098 1859.67,1049.33 U4.97@1859.67,985.2
  Bottom Layer w8: v1(1811,1135) 1811,1186.56 1926.14,1301.7 1926.14,1635.49 2000.69,1710.04 2087.63,1710.04 2139.37,1761.78 2139.37,2020.72 1904.02,2256.06 v1(1816.26,2256.06)
BT_WIFI_GPIO18: R34.2 U4.45 | length 1184.1
  Top Layer w8: v1(1227.89,1915.33) 1143.39,1830.83 1143.39,1683.1 1233.81,1592.68 U4.45@1311.24,1592.68 ; R34.2@1380.02,2518.97 v1(1411.79,2518.97)
  Bottom Layer w8: v1(1227.89,1915.33) 1227.89,2027.93 1301.55,2101.58 1301.55,2258.77 1344.66,2301.88 1344.66,2417.39 1411.79,2484.51 v1(1411.79,2518.97)
BT_WIFI_GPIO19: R33.2 U4.44 | length 1217
  Top Layer w8: v1(1253.48,1896.06) 1160.4,1802.97 1160.4,1690.32 1238.35,1612.37 U4.44@1311.24,1612.37 ; R33.2@1380.02,2566.37 v1(1411.79,2566.37)
  Bottom Layer w8: v1(1253.48,1896.06) 1253.48,2016.73 1320.9,2084.14 1320.9,2243.86 1362.19,2285.15 1362.19,2389.47 1438.28,2465.55 1438.28,2539.88 v1(1411.79,2566.37)
BT_WIFI_GPIO20: R32.2 U4.29 | length 1198.1
  Top Layer w8: R32.2@1380.02,2613.77 v1(1411.79,2613.77) ; v1(1525.02,1773.62) U4.29@1525.02,1826.15
  Bottom Layer w8: v1(1411.79,2613.77) 1458.66,2566.91 1458.66,2452.53 1382.06,2375.94 1382.06,2277.95 1340.75,2236.64 1340.75,2074.58 1276.58,2010.4 1276.58,1892.46 1318.57,1850.47 1365.32,1850.47 1442.17,1773.62 v1(1525.02,1773.62)
BT_WIFI_IRQN: R44.2 U4.3 | length 1323.2
  Top Layer w8: R44.2@1380.02,2661.17 1592.52,2661.17 1732.35,2521.35 v1(1732.35,2413.83) ; U4.3@2036.84,1826.15 2036.94,1826.25 2036.94,1885.64 2067.37,1916.07 v1(2067.37,1917.64)
  Bottom Layer w8: v1(1732.35,2413.83) 1732.35,2234.1 1870.78,2095.66 1984.03,2095.66 2067.37,2012.33 v1(2067.37,1917.64)
BT_WIFI_RESETN: R41.1 TP24.1 U4.47 | length 1782.4
  Top Layer w8: v1(455,2010) 418.65,2010 374.46,2054.18 374.46,2560.35 TP24.1@373.93,2560.88 415.07,2602.03 R41.1@488.14,2602.03 ; v1(675,1870) 717.25,1870 972.25,1615 1155,1615 1216.69,1553.31 U4.47@1311.24,1553.31
  Bottom Layer w8: v1(455,2010) 535,2010 v1(675,1870)
BT_WIFI_SPI_CS: R30.1 U4.18 | length 878.9
  Top Layer w8: R30.1@1380.02,2281.96 v1(1491.81,2281.96) ; v1(1717.81,1899.73) 1741.56,1875.99 U4.18@1741.56,1826.15
  Bottom Layer w8: v1(1491.81,2281.96) 1490.27,2280.41 1490.27,2269.81 1414.68,2194.22 1414.68,1957.23 1472.18,1899.73 v1(1717.81,1899.73)
BT_WIFI_SPI_MISO: R29.1 TP22.1 U4.20 | length 912.8
  Top Layer w8: R29.1@1193.48,2068.15 v1(1226.05,2068.15) 1237.3,2068.15 1260.88,2091.73 TP22.1@1275.25,2091.73 ; v1(1665.4,1742.04) 1702.19,1778.83 U4.20@1702.19,1826.15
  Bottom Layer w8: v1(1226.05,2068.15) 1196.29,2038.4 1196.29,1888.27 1253.25,1831.31 1354.26,1831.31 1443.53,1742.04 v1(1665.4,1742.04)
BT_WIFI_SPI_MOSI: R31.1 TP20.1 U4.21 | length 937.8
  Top Layer w8: R31.1@1380.02,2329.36 v1(1456.7,2329.36) ; v1@1456.73,2329.39 TP20.1@1542.31,2329.39 ; U4.21@1682.5,1826.15 1682.5,1878.03 v1(1682.57,1878.09)
  Bottom Layer w8: v1(1456.7,2329.36) 1456.7,2260.15 1398.72,2202.17 1398.72,1938.88 1459.5,1878.09 v1(1682.57,1878.09)
BT_WIFI_SPI_SCK: R28.1 TP23.1 U4.19 | length 1006.4
  Top Layer w8: R28.1@1146.08,2068.15 1146.08,2041.05 1164.95,2022.18 1164.95,2009.12 1165.19,2008.88 1165.19,1929.04 TP23.1@1165.11,1928.96 ; v1(1660.77,1710.54) 1693.55,1710.54 1721.87,1738.87 U4.19@1721.87,1826.15
  Bottom Layer w8: v1(1165.27,2008.8) 1165.27,1872.1 1225.48,1811.89 1340.13,1811.89 1441.48,1710.54 v1(1660.77,1710.54)